# Altium PCB MAIN_BOARD.PcbDoc (part 2 of 4) (continued)
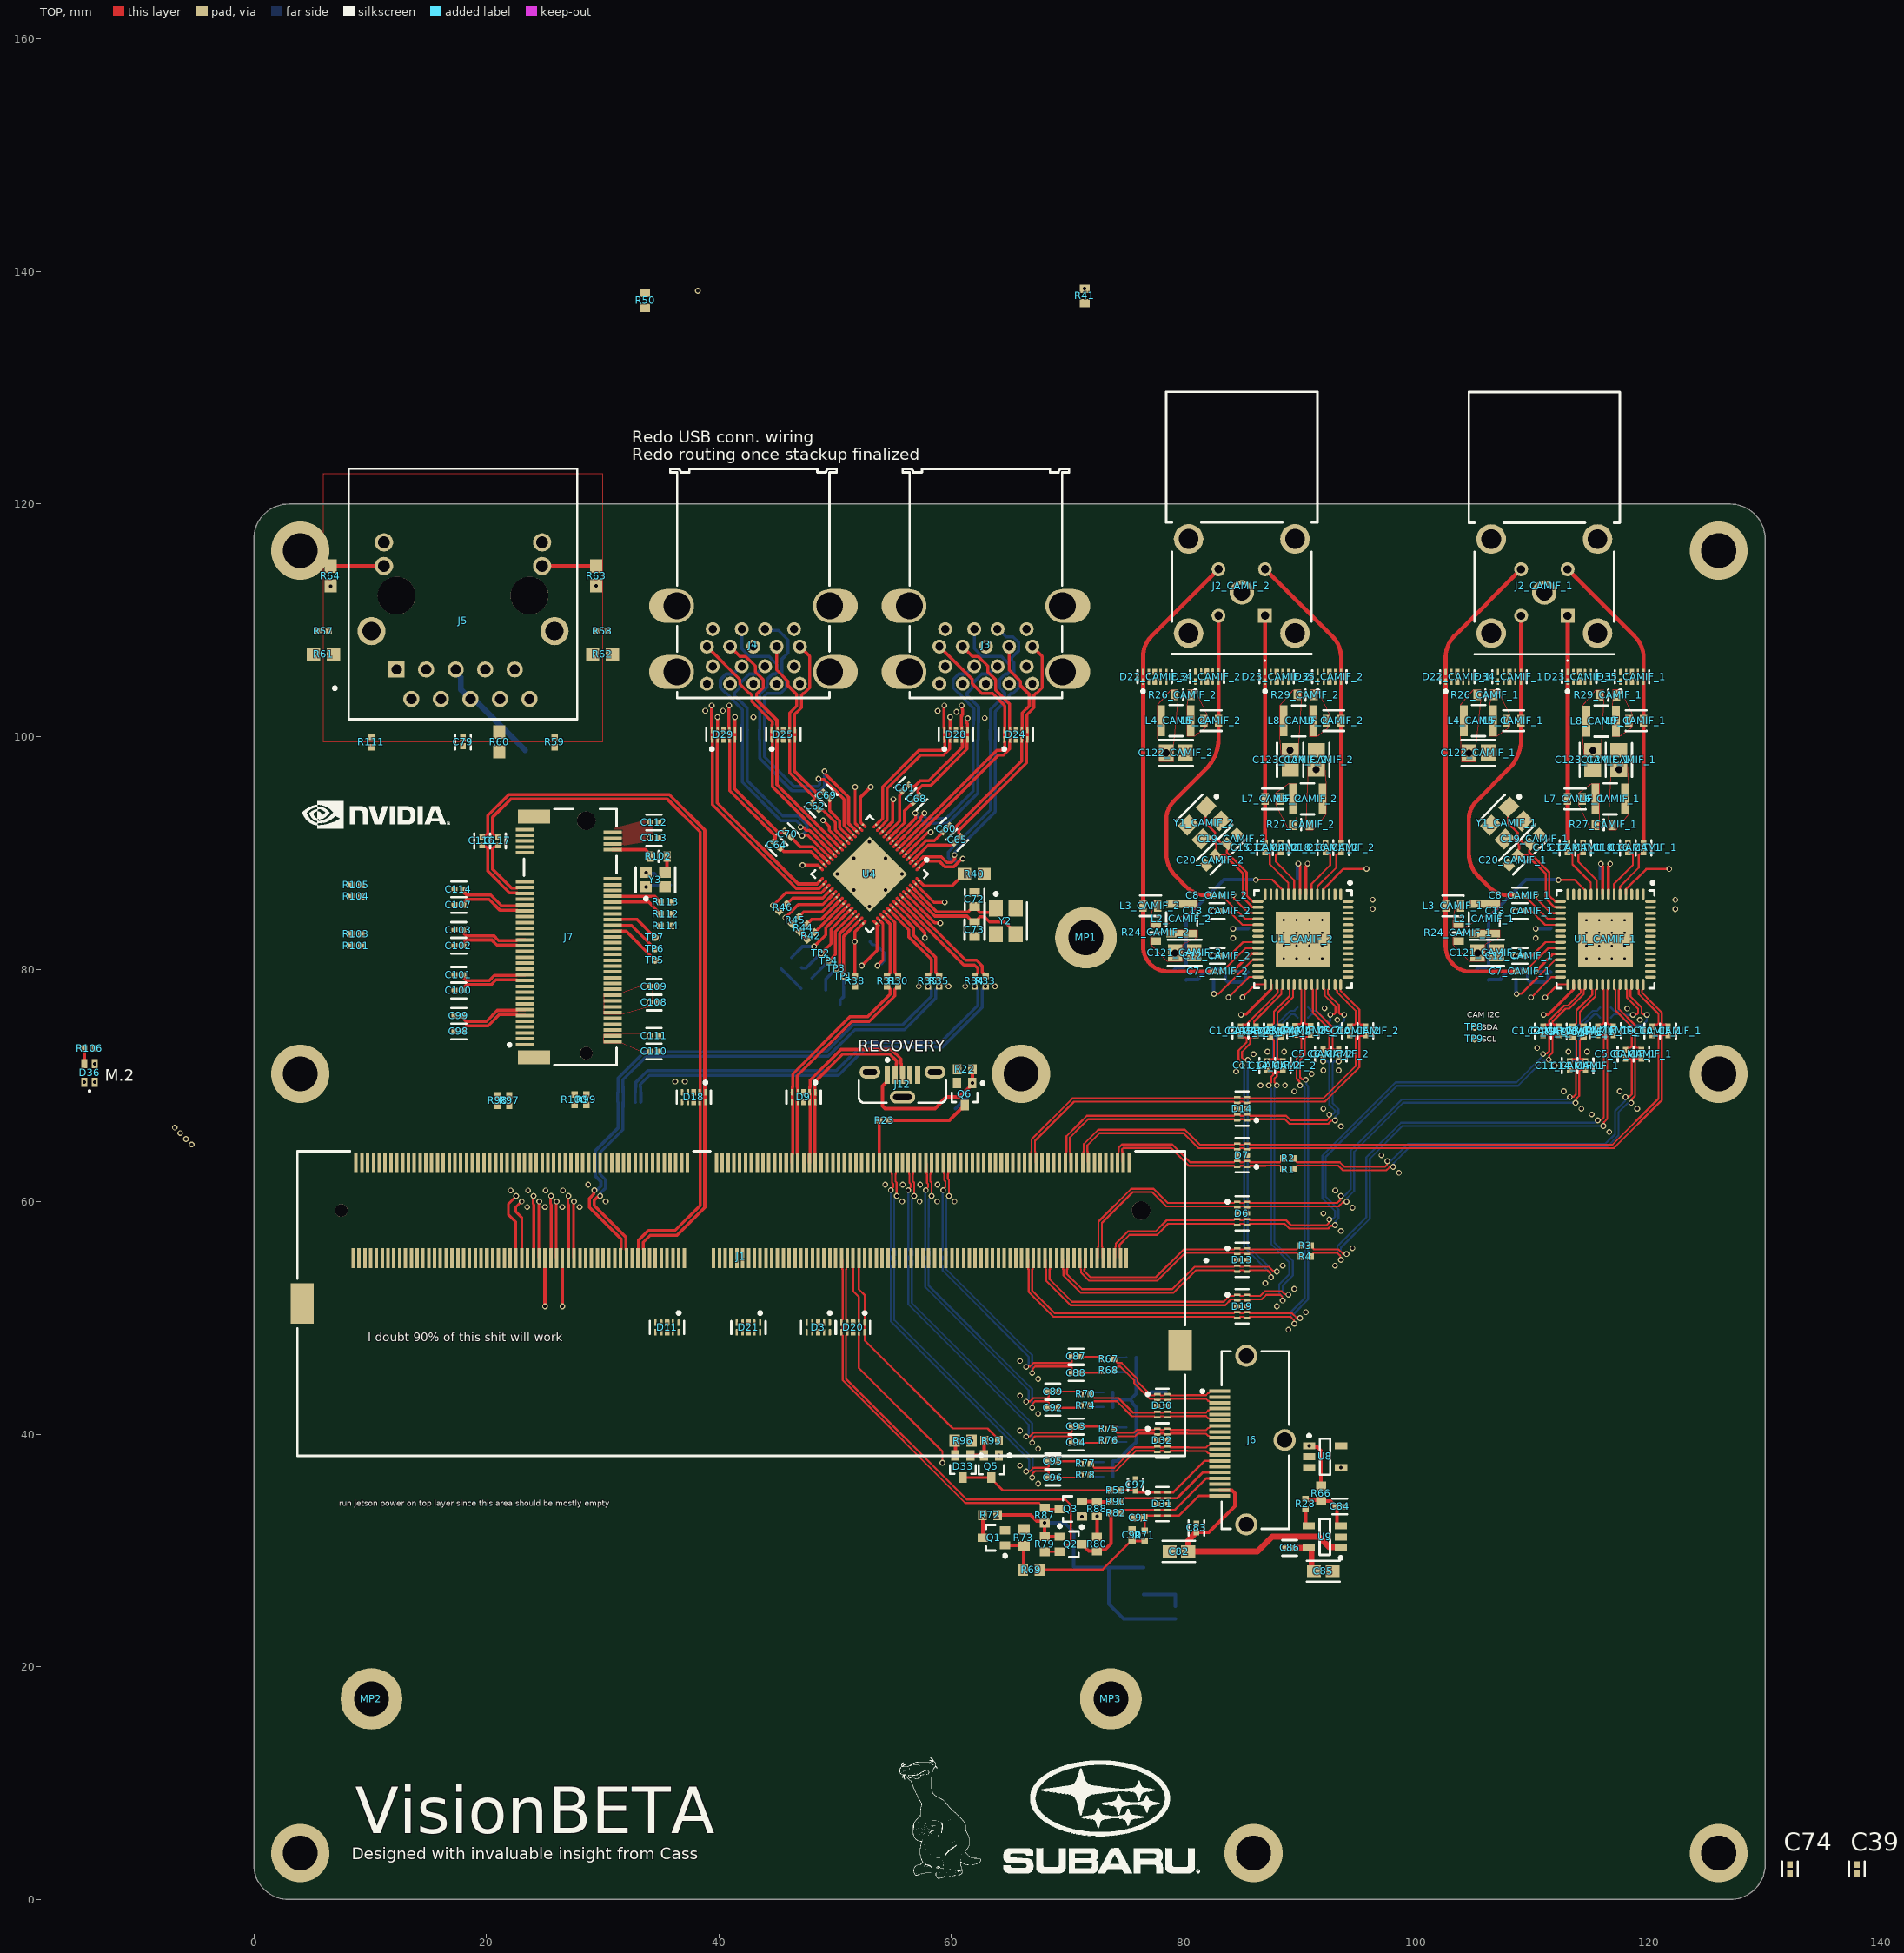
[diagram p0: TOP view]
## Footprints (in the part's own frame and the unit in brackets; to place one, negate y for a bottom-side part, rotate by r counter-clockwise, add the part's x,y. Pads: shape width x height; smd on the part's side, far side on the other; paste and mask are expansions set on the pad) (continued)
  TOP region: 3.775,0.488 3.137,0.488 3.094,0.496 3.058,0.52 3.034,0.557 3.025,0.6 3.025,0.6 3.034,0.643 3.058,0.68 3.094,0.704 3.138,0.712 3.138,0.713 3.775,0.713
  TOP region: 3.775,0.088 3.138,0.088 3.094,0.096 3.058,0.12 3.034,0.157 3.025,0.2 3.025,0.2 3.034,0.243 3.058,0.28 3.094,0.304 3.137,0.312 3.138,0.312 3.775,0.312
  TOP region: 3.775,-0.312 3.138,-0.312 3.094,-0.304 3.058,-0.28 3.034,-0.243 3.025,-0.2 3.025,-0.2 3.034,-0.157 3.058,-0.12 3.094,-0.096 3.137,-0.088 3.138,-0.088 3.775,-0.088
  TOP region: 3.775,-0.713 3.138,-0.713 3.094,-0.704 3.058,-0.68 3.034,-0.643 3.025,-0.6 3.025,-0.6 3.034,-0.557 3.058,-0.52 3.094,-0.496 3.138,-0.488 3.137,-0.488 3.775,-0.488
  TOP region: 3.775,-1.112 3.138,-1.112 3.094,-1.104 3.058,-1.08 3.034,-1.043 3.025,-1 3.025,-1 3.034,-0.957 3.058,-0.92 3.094,-0.896 3.137,-0.888 3.137,-0.887 3.775,-0.887
  TOP region: 3.775,-1.512 3.137,-1.512 3.094,-1.504 3.058,-1.48 3.034,-1.443 3.025,-1.4 3.025,-1.4 3.034,-1.357 3.058,-1.32 3.094,-1.296 3.138,-1.288 3.137,-1.288 3.775,-1.288
  TOP region: 3.775,-1.913 3.138,-1.913 3.094,-1.904 3.058,-1.88 3.034,-1.843 3.025,-1.8 3.025,-1.8 3.034,-1.757 3.058,-1.72 3.094,-1.696 3.138,-1.687 3.137,-1.687 3.775,-1.687
  TOP region: 3.775,-2.313 3.137,-2.313 3.094,-2.304 3.058,-2.28 3.034,-2.243 3.025,-2.2 3.025,-2.2 3.034,-2.157 3.058,-2.12 3.094,-2.096 3.138,-2.088 3.137,-2.087 3.775,-2.087
  TOP region: 3.775,-2.712 3.137,-2.712 3.094,-2.704 3.058,-2.68 3.034,-2.643 3.025,-2.6 3.025,-2.6 3.034,-2.557 3.058,-2.52 3.094,-2.496 3.138,-2.488 3.137,-2.488 3.775,-2.488
  TOP region: -3.775,-2.488 -3.137,-2.488 -3.094,-2.496 -3.058,-2.52 -3.034,-2.557 -3.025,-2.6 -3.025,-2.6 -3.04,-2.656 -3.081,-2.697 -3.138,-2.712 -3.137,-2.712 -3.775,-2.712
  TOP region: -3.775,-2.087 -3.137,-2.087 -3.094,-2.096 -3.058,-2.12 -3.034,-2.157 -3.025,-2.2 -3.025,-2.2 -3.034,-2.243 -3.058,-2.28 -3.094,-2.304 -3.138,-2.313 -3.137,-2.313 -3.775,-2.313
  TOP region: -3.775,-1.687 -3.137,-1.687 -3.094,-1.696 -3.058,-1.72 -3.034,-1.757 -3.025,-1.8 -3.025,-1.8 -3.034,-1.843 -3.058,-1.88 -3.094,-1.904 -3.138,-1.912 -3.138,-1.913 -3.775,-1.913
  TOP region: -3.775,-1.288 -3.137,-1.288 -3.094,-1.296 -3.058,-1.32 -3.034,-1.357 -3.025,-1.4 -3.025,-1.4 -3.04,-1.456 -3.081,-1.497 -3.138,-1.512 -3.137,-1.512 -3.775,-1.512
  TOP region: -3.775,-0.887 -3.137,-0.887 -3.094,-0.896 -3.058,-0.92 -3.034,-0.957 -3.025,-1 -3.025,-1 -3.034,-1.043 -3.058,-1.08 -3.094,-1.104 -3.137,-1.112 -3.138,-1.112 -3.775,-1.112
  TOP region: -3.775,-0.488 -3.137,-0.488 -3.094,-0.496 -3.058,-0.52 -3.034,-0.557 -3.025,-0.6 -3.025,-0.6 -3.04,-0.656 -3.081,-0.697 -3.138,-0.712 -3.138,-0.713 -3.775,-0.713
  TOP region: -3.775,-0.088 -3.138,-0.088 -3.094,-0.096 -3.058,-0.12 -3.034,-0.157 -3.025,-0.2 -3.025,-0.2 -3.04,-0.256 -3.081,-0.297 -3.137,-0.312 -3.138,-0.312 -3.775,-0.312
  TOP region: -3.775,0.312 -3.138,0.312 -3.094,0.304 -3.058,0.28 -3.034,0.243 -3.025,0.2 -3.025,0.2 -3.034,0.157 -3.058,0.12 -3.094,0.096 -3.137,0.088 -3.138,0.088 -3.775,0.088
  TOP region: -3.775,0.713 -3.138,0.713 -3.094,0.704 -3.058,0.68 -3.034,0.643 -3.025,0.6 -3.025,0.6 -3.034,0.557 -3.058,0.52 -3.094,0.496 -3.138,0.488 -3.137,0.488 -3.775,0.488
  TOP region: -3.775,1.112 -3.138,1.112 -3.094,1.104 -3.058,1.08 -3.034,1.043 -3.025,1 -3.025,1 -3.034,0.957 -3.058,0.92 -3.094,0.896 -3.137,0.888 -3.137,0.887 -3.775,0.887
  TOP region: -3.775,1.512 -3.137,1.512 -3.094,1.504 -3.058,1.48 -3.034,1.443 -3.025,1.4 -3.025,1.4 -3.034,1.357 -3.058,1.32 -3.094,1.296 -3.138,1.288 -3.137,1.288 -3.775,1.288
  TOP region: -3.775,1.913 -3.138,1.913 -3.094,1.904 -3.058,1.88 -3.034,1.843 -3.025,1.8 -3.025,1.8 -3.034,1.757 -3.058,1.72 -3.094,1.696 -3.138,1.687 -3.137,1.687 -3.775,1.687
  TOP region: -3.775,2.313 -3.137,2.313 -3.094,2.304 -3.058,2.28 -3.034,2.243 -3.025,2.2 -3.025,2.2 -3.034,2.157 -3.058,2.12 -3.094,2.096 -3.138,2.088 -3.137,2.087 -3.775,2.087
  TOP region: -3.775,2.712 -3.137,2.712 -3.094,2.704 -3.058,2.68 -3.034,2.643 -3.025,2.6 -3.025,2.6 -3.034,2.557 -3.058,2.52 -3.094,2.496 -3.138,2.488 -3.137,2.488 -3.775,2.488
  silkscreen extent -4.45,-3.55 3.55,3.55, body extent -3.88,-3.88 3.88,3.88, height 0.25
KEMT-520-B-2_M [mm] "Molded Capacitor, 2-Leads, Body 3.7x3mm, IPC Low Density"
  rect 2.35x2.35 smd: 1(-1.475,0) 2(1.475,0)
  silkscreen extent -2.63,-1.5 1.85,1.85, body extent -1.85,-1.5 1.85,1.5, height 2.11
MOLX-105133-0001_V [mm] "Micro USB B, 5-Leads, Pitch 0.65mm"
  rect 0.45x1.5 smd: 1(-1.3,0.825) 2(-0.65,0.825) 3(0,0.825) 4(0.65,0.825) 5(1.3,0.825)
  oval 1.8x1.1 hole 0.5 slot 1.2 at 0 deg: 6(-2.8,1.075) 7(2.8,1.075)
  oval 2.2x1.1 hole 0.5 slot 1.6 at 0 deg: 8(0,-1.075)
  silkscreen extent -3.75,-1.56 3.75,2.25, body extent -4.02,-2.22 4,2.23, height 7.51
ONSC-SOT-323-3-419-04_V [mm] "SOT23, 3-Leads, Body 2x1.25mm, Pitch 0.65mm"
  rect 0.9x0.7 smd: 1(-0.95,0.65) 2(-0.95,-0.65) 3(0.95,0)
  silkscreen extent -1.07,-1.1 0.63,1.68, body extent -0.63,-1 0.63,1, height 1
QFN50P800X800X80_HS-57N [mm] "QFN, 56-Leads, Body 8,00x8,00mm, Pitch 0,50mm, Thermal Pad 4,70x4,70mm, IPC Medium Density"
  oval 0.95x0.25 smd: 1(-3.875,3.25) 2(-3.875,2.75) 3(-3.875,2.25) 4(-3.875,1.75) 5(-3.875,1.25) 6(-3.875,0.75) 7(-3.875,0.25) 8(-3.875,-0.25) 9(-3.875,-0.75) 10(-3.875,-1.25) 11(-3.875,-1.75) 12(-3.875,-2.25) 13(-3.875,-2.75) 14(-3.875,-3.25) 29(3.875,-3.25) 30(3.875,-2.75) 31(3.875,-2.25) 32(3.875,-1.75) 33(3.875,-1.25) 34(3.875,-0.75) 35(3.875,-0.25) 36(3.875,0.25) 37(3.875,0.75) 38(3.875,1.25) 39(3.875,1.75) 40(3.875,2.25) 41(3.875,2.75) 42(3.875,3.25)
  oval 0.25x0.95 smd: 15(-3.25,-3.875) 16(-2.75,-3.875) 17(-2.25,-3.875) 18(-1.75,-3.875) 19(-1.25,-3.875) 20(-0.75,-3.875) 21(-0.25,-3.875) 22(0.25,-3.875) 23(0.75,-3.875) 24(1.25,-3.875) 25(1.75,-3.875) 26(2.25,-3.875) 27(2.75,-3.875) 28(3.25,-3.875) 43(3.25,3.875) 44(2.75,3.875) 45(2.25,3.875) 46(1.75,3.875) 47(1.25,3.875) 48(0.75,3.875) 49(0.25,3.875) 50(-0.25,3.875) 51(-0.75,3.875) 52(-1.25,3.875) 53(-1.75,3.875) 54(-2.25,3.875) 55(-2.75,3.875) 56(-3.25,3.875)
  rect 4.7x4.7 smd: 57(0,0)
  silkscreen extent -4.97,-4.2 4.2,4.2, body extent -4.05,-4.05 4.05,4.05, height 0.8
RESC1005X40X25NL05T05 [mm] "Chip Resistor, 2-Leads, Body 1.00x0.50mm, IPC Medium Density"
  rect 0.55x0.55 smd: 1(-0.45,0) 2(0.45,0)
  body extent -0.53,-0.27 0.53,0.28, height 0.4
RESC1608X55X30LL15T15 [mm] "Chip Resistor, 2-Leads, Body 1.60x0.80mm, IPC High Density"
  rect 0.7x0.85 smd: 1(-0.625,0) 2(0.625,0)
  body extent -0.87,-0.48 0.87,0.48, height 0.55
RESC1608X55X30ML15T15 [mm] "Chip Resistor, 2-Leads, Body 1.60x0.80mm, IPC Low Density"
  rect 0.9x1.05 smd: 1(-0.725,0) 2(0.725,0)
  body extent -0.87,-0.48 0.87,0.48, height 0.55
RESC1608X55X30NL15T15 [mm] "Chip Resistor, 2-Leads, Body 1.60x0.80mm, IPC Medium Density"
  rect 0.8x0.95 smd: 1(-0.675,0) 2(0.675,0)
  body extent -0.87,-0.48 0.87,0.48, height 0.55
RESC1609X55X30LL15T15 [mm] "Chip Resistor, 2-Leads, Body 1.75x0.95mm, IPC High Density"
  rect 0.75x0.85 smd: 1(-0.65,0) 2(0.65,0)
  body extent -0.87,-0.48 0.87,0.48, height 0.55
RESC1609X55X30ML15T15 [mm] "Chip Resistor, 2-Leads, Body 1.75x0.95mm, IPC Low Density"
  rect 1.15x1.05 smd: 1(-0.85,0) 2(0.85,0)
  body extent -0.87,-0.48 0.87,0.48, height 0.55
SOT95P285X130-5N [mm] "SOT23, 5-Leads, Body 3,00x2,85mm, Pitch 0,95mm, IPC Medium Density"
  rect 1.05x0.6 smd: 1(-1.375,0.95) 2(-1.375,0) 3(-1.375,-0.95) 4(1.375,-0.95) 5(1.375,0.95)
  silkscreen extent -1.5,-1.55 0.45,1.92, body extent -0.85,-1.55 0.85,1.55, height 1.3
SOT-223_M [mm] "SOT223, 4-Leads, Body 6.5x3.5mm, Pitch 2.3mm, Lead Span 7mm, IPC Low Density"
  rect 2.7x1 smd: 1(-2.95,2.3) 2(-2.95,0) 3(-2.95,-2.3)
  rect 2.7x3.3 smd: 4(2.95,0)
  silkscreen extent -3.07,-3.35 1.3,3.47, body extent -1.85,-3.35 1.85,3.35, height 1.8
TP06R [mm] "Testpoint, round, d=0.6mm"
  round 0.6 smd paste-1: 1(0,0)
WL-SBCD_0606 [mm] "SMT Bi-color Chip LED Diffuesed, body 1.5x1.6mm"
  rect 0.5x0.8 smd: 1(-0.45,0.8) 2(-0.45,-0.8) 3(0.45,-0.8) 4(0.45,0.8)
  silkscreen extent -0.08,1.48 0.07,1.62, body extent -0.75,-0.8 0.75,0.8, height 0.55

## Part data
C1_CAMIF_1 C1_CAMIF_2 C2_CAMIF_1 C2_CAMIF_2 C3_CAMIF_1 C3_CAMIF_2 C4_CAMIF_1 C4_CAMIF_2 C5_CAMIF_1 C5_CAMIF_2 C6_CAMIF_1 C6_CAMIF_2 C7_CAMIF_1 C7_CAMIF_2 C8_CAMIF_1 C8_CAMIF_2 C9_CAMIF_1 C9_CAMIF_2 C10_CAMIF_1 C10_CAMIF_2 C11_CAMIF_1 C11_CAMIF_2 C12_CAMIF_1 C12_CAMIF_2 C13_CAMIF_1 C13_CAMIF_2 C14_CAMIF_1 C14_CAMIF_2 C15_CAMIF_1 C15_CAMIF_2 C16_CAMIF_1 C16_CAMIF_2 C17_CAMIF_1 C17_CAMIF_2 C18_CAMIF_1 C18_CAMIF_2 C22_CAMIF_1 C22_CAMIF_2 C24_CAMIF_1 C24_CAMIF_2 C26_CAMIF_1 C26_CAMIF_2 C28_CAMIF_1 C28_CAMIF_2 C38 C39 C42_CAMIF_1 C42_CAMIF_2 C43_CAMIF_1 C43_CAMIF_2 C44 C45 C46 C47 C48 C50 C51 C52 C53 C54 C55 C56 C57 C58 C60 C61 C62 C64 C65 C66 C67 C68 C69 C70 C74 C78 C79 C80 C81 C83 C84 C86 C87 C88 C89 C92 C93 C94 C95 C96 C108 C109 C110 C111 C112 C113 C115 C119 C125: library part CMP-2000-05393-2, "Multilayer Ceramic Capacitors 100nF ±10% 50V X7R SMD 0402", Capacitance=100nF, Case Code (Imperial)=0402, Case Code (Metric)=1005, Dielectric=X7R, Dielectric Material=Ceramic, Max Operating Temperature=125°C, Min Operating Temperature=-55°C, Package Quantity=1, Tolerance=10%, Voltage=50V, Case/Package=0402, Construction=Flat, Depth=0.5mm, Height=0.5mm, Lead Free="Lead Free", Length=1mm, Mount="Surface Mount", Packaging="Tape and Reel", Radiation Hardening=No, REACH SVHC="No SVHC", Resistor Type=Ceramic, RoHS Compliant=Yes, Series=C, Termination=SMD/SMT, Thickness=0.022inch, Voltage Rating=50V, Voltage Rating (DC)=50V, Weight=2.3E-05oz, Width=0.02inch
C19_CAMIF_1 C19_CAMIF_2 C20_CAMIF_1 C20_CAMIF_2 C72 C73: library part CMP-1035-00914-3, "CAP CER 30PF 50V 5% NP0 0603", Capacitance="30 pF", Manufacturer=KEMET, Package=C0603C-CF, Temperature="-55°C to +125°C", Temperature Characteristic=C0G, Temperature Coefficient=30ppm/°C, Temperature Range High=+125°C, Temperature Range Low=-55°C, Tolerance=0.05, Voltage Rating="50 V", Automotive=Yes, Automotive Grade="Grade 1", Category=Cap, ComponentLink2Description=Datasheet, ComponentLink2URL=https://api.kemet.com/component-edge/download/datasheet/C0603C100J5GACAUTO.pdf, Device Class L1="Passive Components", Device Class L2=Capacitors, Device Class L3="Ceramic Capacitors", Digikey Description="CAP CER 30PF 50V 5% NP0 0603", Height=0.87mm, Lead Free=Yes, Manufacturer Part Number=C0603C300J5GACTU, Material=Ceramic, Mouser Description="Multilayer Ceramic Capacitors MLCC - SMD/SMT 50volts 30pF C0G 5%", Octopart=https://octopart.com/c0603c300j5gactu-kemet-199455, RoHS=TRUE
C21_CAMIF_1 C21_CAMIF_2 C23_CAMIF_1 C23_CAMIF_2 C25_CAMIF_1 C25_CAMIF_2 C27_CAMIF_1 C27_CAMIF_2 C29_CAMIF_1 C29_CAMIF_2 C31_CAMIF_1 C31_CAMIF_2 C33_CAMIF_1 C33_CAMIF_2 C35_CAMIF_1 C35_CAMIF_2: library part CMP-13271-000002-1, "CAP CER 10UF 10V X5R 0402", Capacitance=10uF, Manufacturer=Samsung, Temperature="-55°C to +85°C", Temperature Characteristic=X5R, Temperature Coefficient=15%, Temperature Range High=+85°C, Temperature Range Low=-55°C, Tolerance=20%, Voltage Rating=10V, Automotive=No, Category=Cap, ComponentLink2Description=Datasheet, ComponentLink2URL=http://www.samsungsem.com/kr/support/product-search/mlcc/__icsFiles/afieldfile/2019/05/10/19-CL05A106MP5NUNC.pdf, Device Class L1="Passive Components", Device Class L2=Capacitors, Device Class L3="Ceramic Capacitors", Digikey Description="CAP CER 10UF 10V X5R 0402", Height=0.7mm, Ipc Land Pattern Name=CAPC10050X50, Lead Free=Yes, Manufacturer Part Number=CL05A106MP5NUNC, Material=Ceramic, Octopart=https://octopart.com/cl05a106mp5nunc-samsung-22457395, Package=CL05A106MP5NUNC, RoHS=TRUE
C30_CAMIF_1 C30_CAMIF_2 C32_CAMIF_1 C32_CAMIF_2 C34_CAMIF_1 C34_CAMIF_2 C36_CAMIF_1 C36_CAMIF_2: library part CMP-1034-01887-3, "CAP CER 10000PF 50V 20% X7R 0402", Capacitance="10,000 pF", Manufacturer=Kemet, Package=C0402-BB, Temperature="-55°C to +125°C", Temperature Characteristic=X7R, Temperature Coefficient=15%, Temperature Range High=+125°C, Temperature Range Low=-55°C, Tolerance=0.2, Voltage Rating="50 V", Automotive=No, Category=Cap, ComponentLink2Description=Datasheet, ComponentLink2URL=https://content.kemet.com/datasheets/KEM_C1002_X7R_SMD.pdf, Device Class L1="Passive Components", Device Class L2=Capacitors, Device Class L3="Ceramic Capacitors", Digikey Description="CAP CER 10000PF 50V 20% X7R 0402", Height=0.55mm, Ipc Land Pattern Name=CAPC10050X50, Lead Free=Yes, Manufacturer Part Number=C0402C103M5RACTU, Material=Ceramic, Mouser Description="Cap Ceramic 0.01uF 50V X7R 20% SMD 1.0 x 0.5 mm 125 C Paper T/R", Octopart=https://octopart.com/c0402c103m5ractu-kemet-17125571, RoHS=TRUE
C37 C40_CAMIF_1 C40_CAMIF_2 C41_CAMIF_1 C41_CAMIF_2 C59 C71 C77 C82 C85 C104 C105 C106: library part CMP-2006-02792-2, "Chip Multilayer Ceramic Capacitors for General Purpose, 0603, 10uF, X5R, 15%, 20%, 6.3V", Capacitance=10uF, Case Code (Imperial)=0603, Case Code (Metric)=1608, Dielectric=X5R, Max Operating Temperature=85°C, Min Operating Temperature=-55°C, Package Quantity=4000, Tolerance=20%, Voltage=6.3V, Case/Package=0603, Depth=0.8mm, Height=0.8mm, Lead Free="Lead Free", Length=1.6mm, Material=Ceramic, Mount="Surface Mount", Packaging="Tape and Reel", Radiation Hardening=No, REACH SVHC="No SVHC", Termination=SMD/SMT, Thickness=0.035inch, Voltage Rating=6.3V, Voltage Rating (DC)=6.3V, Width=0.031inch
C49 C63 C118: library part CMP-1664-00002-2, "Tantalum Capacitor, 330 uF, +/- 20%, 2.5 V, -55 to 105 degC, 2-Pin Molded, RoHS, Tape and Reel", Capacitance="330 uF", Case/Package=1411, Max Operating Temperature="105 degC", Min Operating Temperature="-55 degC", Package Quantity=2000, ComponentLink1Description="Manufacturer URL", ComponentLink1URL=http://www.kemet.com/, ComponentLink2Description=Datasheet, ComponentLink2URL=http://capacitoredge.kemet.com/capedge2/DataSheet?pn=T520B337M2R5ATE045, DatasheetVersion=07/2016, Height="2.1 mm", Length="3.5 mm", Mount="Surface Mount", Mounting Technology="Surface Mount", PackageDescription="2-Pin Surface Mount Device, Body 3.5 x 2.8 mm", Packaging="Tape and Reel", PartNumber=T520B337M2R5ATE045, Radiation Hardening=No, RoHSCompliant=True, Width="2.8 mm"
C90 C91: library part CMP-2008-03137-2, Manufacturer=Kemet, Part Number=C0402C221K5RAC7867
C97: library part CMP-2008-03945-2, "CAP CER 12PF 50V C0G/NP0 0402", Capacitance=12pF, Case Code (Imperial)=0402, Case Code (Metric)=1005, Dielectric=C0G, Max Operating Temperature=125°C, Min Operating Temperature=-55°C, Package Quantity=10000, Tolerance=2%, Voltage=50V, Case/Package=0402, Construction=Flat, Depth=0.5mm, Height=0.5mm, Lead Free="Lead Free", Length=1mm, Material=Ceramic, Mount="Surface Mount", Packaging="Tape and Reel", Radiation Hardening=No, REACH SVHC="No SVHC", Series=GRM, Termination=SMD/SMT, Thickness=0.022inch, Voltage Rating=50V, Voltage Rating (DC)=50V, Width=0.5mm
C98 C99 C100 C101 C102 C103 C107 C114 C116 C117: library part CMP-08246-006072-1, "Multilayer Ceramic Capacitors 220nF ±10% 10V X7R SMD 0402", Capacitance=220nF, Case Code (Imperial)=0402, Case Code (Metric)=1005, Dielectric=X7R, Dielectric Material=Ceramic, Max Operating Temperature=125°C, Min Operating Temperature=-55°C, Package Quantity=10000, Tolerance=10%, Voltage Rating=10V, Case/Package=0402, Construction=Flat, Depth=0.5mm, Height=0.5mm, Lead Free="Lead Free", Length=1mm, Mount="Surface Mount", Packaging="Tape and Reel", Radiation Hardening=No, REACH SVHC="No SVHC", Resistor Type=Ceramic, RoHS Compliant=Yes, Series=C, Termination=SMD/SMT, Thickness=0.022inch, Voltage Rating (DC)=10V, Weight=2.3E-05oz, Width=0.02inch
C121_CAMIF_1 C121_CAMIF_2 C122_CAMIF_1 C122_CAMIF_2 C123_CAMIF_1 C123_CAMIF_2 C124_CAMIF_1 C124_CAMIF_2: library part CMP-2007-03222-3, "Chip Multilayer Ceramic Capacitors for General Purpose, 0805, 22uF, X5R, 15%, 20%, 25V", Capacitance=22uF, Case Code (Imperial)=0805, Case Code (Metric)=2012, Dielectric=X5R, Max Operating Temperature=85°C, Min Operating Temperature=-55°C, Package Quantity=3000, Resistor Type=Ceramic, Tolerance=20%, Voltage=25V, Case/Package=0805, Depth=1.25mm, Height=1.25mm, Lead Free="Lead Free", Length=2mm, Material=Ceramic, Mount="Surface Mount", Packaging="Tape and Reel", REACH SVHC="No SVHC", Termination=SMD/SMT, Thickness=0.057inch, Voltage Rating=25V, Voltage Rating (DC)=25V, Weight=0.000335oz, Width=1.25mm
D1 D2 D3 D4 D5 D9 D10 D11 D12 D16 D17 D18 D21 D24 D25 D26 D27 D28 D29 D30 D31 D32: library part CMP-04989-000002-1, "4-CHANNEL LOW-CAPACITANCE SURGE", Ambient Temperature Range High=+125°C, Ambient Temperature Range Low=-40°C, Breakdown Voltage=5.5V, Capacitance=0.55pF, Clamping Voltage=11.5V, Manufacturer="Texas Instruments", Manufacturer Part Number=ESD204DQAR, Package=DQA0010A, Peak Pulse Current=5.5A, Peak Pulse Power=50W, Reverse Standoff Voltage=3.6V, Temperature="-40°C to +125°C", Automotive=No, Category=Diode, ComponentLink2Description=Datasheet, ComponentLink2URL=http://www.ti.com/lit/ds/symlink/esd204.pdf, Device Class L1="Circuit Protection", Device Class L2="TVS Diodes", Device Class L3=unset, Digikey Description="4-CHANNEL LOW-CAPACITANCE SURGE", Direction=Bidirectional, Height=0.55mm, Lead Free=Yes, Mouser Description="4-Channel Low-Capacitance Surge and ESD Protection Diode 10-USON -40 to 125", Number of Channels=4, Octopart=https://octopart.com/esd204dqar-texas+instruments-89917476, RoHS=TRUE, Standoff Height=0mm, Temperature Range High=+125°C, Temperature Range Low=-40°C
D6 D7 D8 D13 D14 D15 D19 D20 D22_CAMIF_1 D22_CAMIF_2 D23_CAMIF_1 D23_CAMIF_2 D34_CAMIF_1 D34_CAMIF_2 D35_CAMIF_1 D35_CAMIF_2: library part CMP-04989-000002-1, "4-CHANNEL LOW-CAPACITANCE SURGE", Ambient Temperature Range High=+125°C, Ambient Temperature Range Low=-40°C, Breakdown Voltage=5.5V, Capacitance=0.55pF, Clamping Voltage=11.5V, Manufacturer="Texas Instruments", Package=DQA0010A, Peak Pulse Current=5.5A, Peak Pulse Power=50W, Reverse Standoff Voltage=3.6V, Temperature="-40°C to +125°C", Automotive=No, Category=Diode, ComponentLink2Description=Datasheet, ComponentLink2URL=http://www.ti.com/lit/ds/symlink/esd204.pdf, Device Class L1="Circuit Protection", Device Class L2="TVS Diodes", Device Class L3=unset, Digikey Description="4-CHANNEL LOW-CAPACITANCE SURGE", Direction=Bidirectional, Height=0.55mm, Lead Free=Yes, Manufacturer Part Number=ESD204DQAR, Mouser Description="4-Channel Low-Capacitance Surge and ESD Protection Diode 10-USON -40 to 125", Number of Channels=4, Octopart=https://octopart.com/esd204dqar-texas+instruments-89917476, RoHS=TRUE, Standoff Height=0mm, Temperature Range High=+125°C, Temperature Range Low=-40°C